# KiCad board hw-tele-stern.kicad_pcb
title: TeleSTERN Rocketry Flight Computer; date: 2024-07-31; rev: 2.2; company: Space Team Aachen - STAR Dresden - Hochschule Bremen; note: Based on Telemega 5.0 by Altusmetrum; note: TAPR Open Hardware License
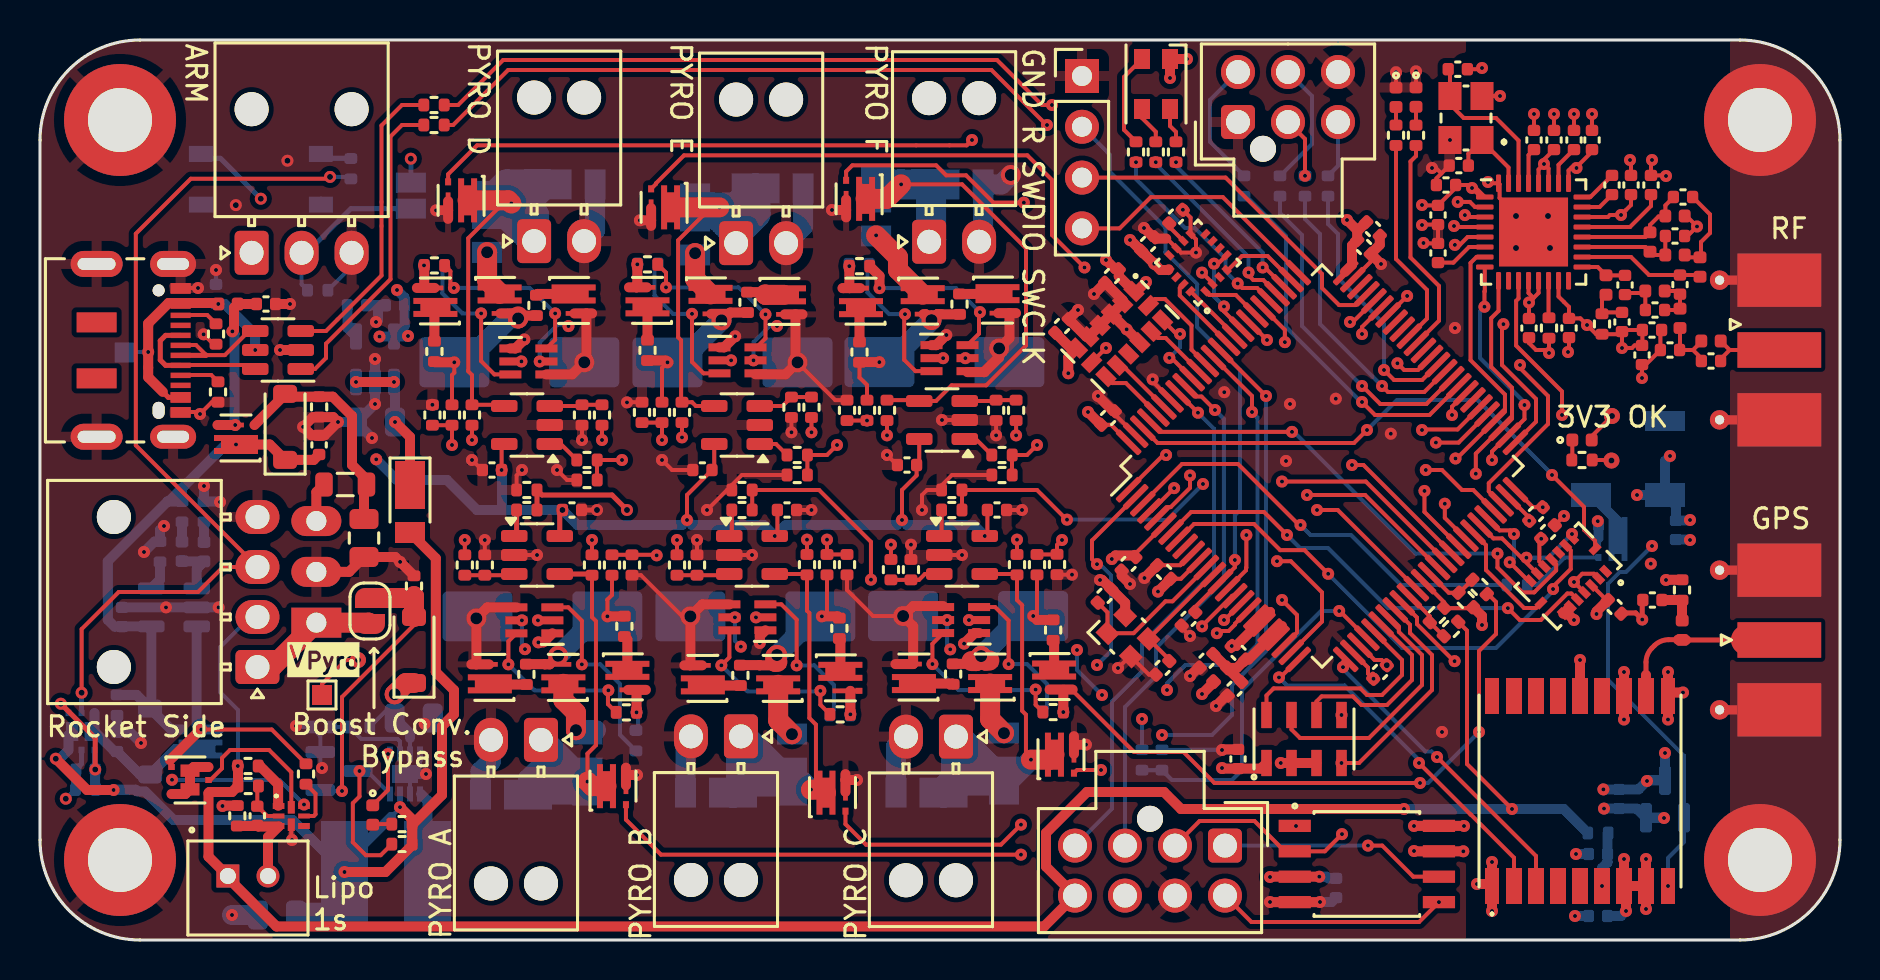
[diagram p0: board, top side]
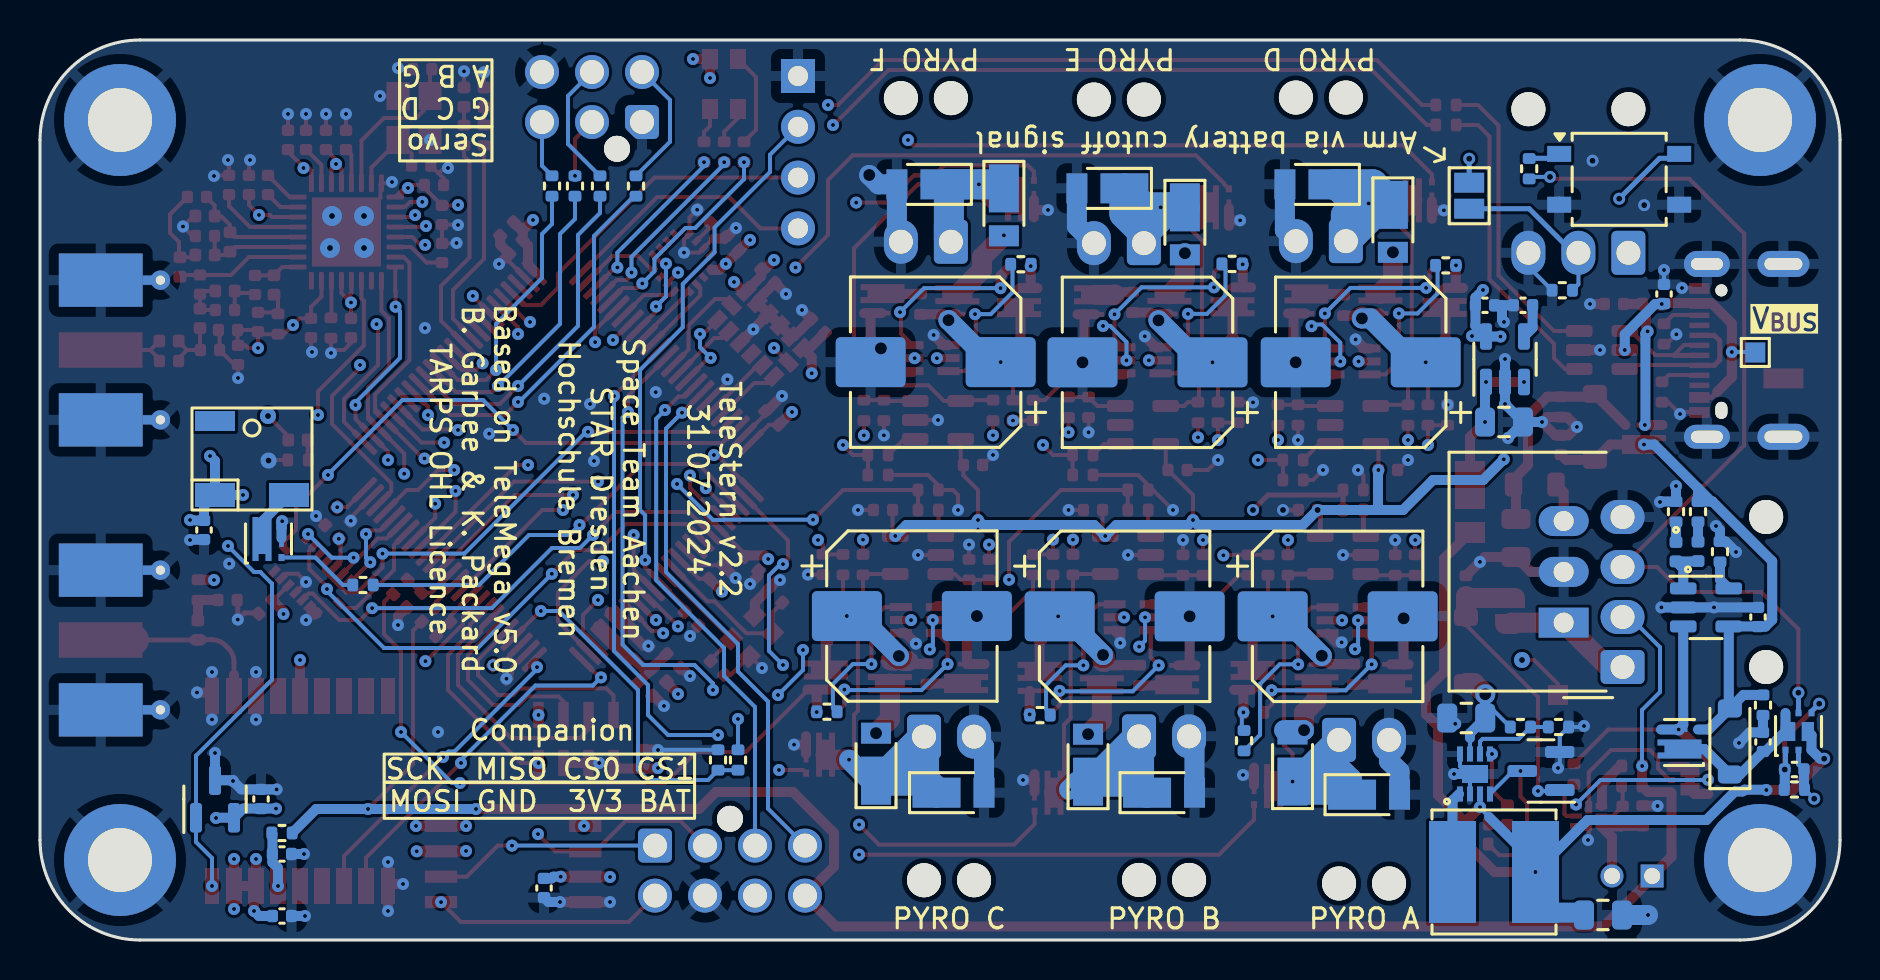
[diagram p1: board, bottom side, seen from below]

Outline 90 x 45 mm; copper layers: F.Cu (Sig+GND), In1.Cu (GND) (plane), In2.Cu (Sig), In3.Cu (3v3) (plane), In4.Cu (GND) (plane), B.Cu (Sig+12v). Coordinates in mm from the lower left corner of the outline.
Outline path: 0,40 arc(1.46,43.54) 5,45 85,45 arc(88.54,43.54) 90,40 90,5 arc(88.54,1.46) 85,0 5,0 arc(1.46,1.46) 0,5 0,40
Stack: F.Cu (Sig+GND) 0.04mm / dielectric 0.1363mm FR4 er 4.3 / In1.Cu (GND) 0.035mm / dielectric 0.2mm FR4 er 4.6 / In2.Cu (Sig) 0.035mm / dielectric 0.5115mm FR4 er 4.6 / In3.Cu (3v3) 0.035mm / dielectric 0.2mm FR4 er 4.6 / In4.Cu (GND) 0.035mm / dielectric 0.1363mm FR4 er 4.3 / B.Cu (Sig+12v) 0.04mm

## Placement (name value [footprint] x y rotation side)
B1  LiPo JST connector  [TE_JST_1x2pin]  9.39 3.2 0 top
C1  22u  [C_0805_2012Metric]  16.2 20.1 90 top
C2  10u  [C_0402_1005Metric]  3.85 9.9 90 bottom
C3  100n  [C_0402_1005Metric]  2.28 8.53 180 bottom
C4  10u  [C_0402_1005Metric]  13.95 24.75 90 top
C5  22u  [C_0805_2012Metric]  11.85 1.25 0 bottom
C6  10u  [C_0402_1005Metric]  4.1 16.15 90 bottom
C7  10u  [C_0805_2012Metric]  18.69 11.1 0 bottom
C8  10u  [C_0805_2012Metric]  16.8 25.9 180 bottom
C9  100n  [C_0402_1005Metric]  78.95 7.05 90 bottom
C10  100n  [C_0402_1005Metric]  59.9 9.05 90 top
C11  10n  [C_0402_1005Metric]  15.85 31.74 0 bottom
C12  1u  [C_0402_1005Metric]  17.75 31.74 180 bottom
C13  100n  [C_0402_1005Metric]  10.86 6.21 90 top
C14  10u  [C_0402_1005Metric]  8.8 32.3 90 bottom
C15  100n  [C_0402_1005Metric]  11.3 31.8 0 top
C16  820u  [CP_Elec_8x10]  35.77 16.18 180 bottom
C17  100n  [C_0402_1005Metric]  37.35 21.5 0 top
C18  820u  [CP_Elec_8x10]  25.12 16.18 180 bottom
C19  100n  [C_0402_1005Metric]  26.6 21.5 0 top
C20  820u  [CP_Elec_8x10]  46.41 16.2 180 bottom
C21  10u  [C_0402_1005Metric]  56.8 36.17 45 top
C22  1u  [C_0402_1005Metric]  55.4 34.8 45 top
C23  100n  [C_0402_1005Metric]  47.85 21.5 0 top
C24  820u  [CP_Elec_8x10]  23.96 28.89 0 bottom
C25  100n  [C_0402_1005Metric]  22.6 23.5 180 top
C26  820u  [CP_Elec_8x10]  34.62 28.88 0 bottom
C27  100n  [C_0402_1005Metric]  33.12 23.5 180 top
C28  820u  [CP_Elec_8x10]  45.22 28.89 0 bottom
C29  100n  [C_0402_1005Metric]  43.35 23.75 180 top
C30  10p  [C_0402_1005Metric]  70.94 38.72 0 top
C31  10p  [C_0402_1005Metric]  70.89 43.54 180 top
C32  22p  [C_0402_1005Metric]  53.23 17.21 225 top
C33  22p  [C_0402_1005Metric]  56.13 13.61 45 top
C34  10u  [C_0402_1005Metric]  66.65 35.55 315 top
C35  100n  [C_0402_1005Metric]  56.2 18.4 135 top
C36  100n  [C_0402_1005Metric]  54.43 18.81 225 top
C37  100n  [C_0402_1005Metric]  67 13.4 225 top
C38  100n  [C_0402_1005Metric]  74.8 21.3 225 top
C39  100n  [C_0402_1005Metric]  66.2 34.65 315 top
C40  100n  [C_0402_1005Metric]  53.4 26.1 45 top
C41  100n  [C_0402_1005Metric]  64.8 2.6 270 bottom
C42  220n  [C_0402_1005Metric]  69.9 34.35 90 top
C43  47n  [C_0402_1005Metric]  70.3 37.75 180 top
C44  47n  [C_0402_1005Metric]  69.9 36.25 270 top
C45  47n  [C_0402_1005Metric]  74.45 30.59 270 top
C46  100n  [C_0402_1005Metric]  77.9 1.2 180 bottom
C47  47n  [C_0402_1005Metric]  76.45 30.6 270 top
C48  100p  [C_0402_1005Metric]  80.62 17 180 top
C49  100n  [C_0402_1005Metric]  77.9 4.3 180 bottom
C50  100n  [C_0402_1005Metric]  81.8 20.5 270 bottom
C101  100n  [C_0402_1005Metric]  53.6 33.2 225 top
C102  1u  [C_0402_1005Metric]  51.1 30.7 45 top
C171  10n  [C_0402_1005Metric]  80.6 30.5 0 top
C172  100p  [C_0402_1005Metric]  80.1 29.25 270 top
C173  56p  [C_0402_1005Metric]  79.1 30.9 270 top
C174  39p  [C_0402_1005Metric]  79.25 32.75 270 top
C175  6.2p  [C_0402_1005Metric]  81.5 29.5 0 top
C176  2.2p  [C_0402_1005Metric]  80.75 31.5 0 top
C177  Tuning  [C_0402_1005Metric]  83.55 28.95 0 top
C181  5.1p  [C_0402_1005Metric]  82 32.77 270 top
C191  5.1p  [C_0402_1005Metric]  82.15 37.15 0 top
C210  5.1p  [C_0402_1005Metric]  81.75 35.2 0 top
C211  10n  [C_0402_1005Metric]  80.55 37.75 90 top
C221  47n  [C_0402_1005Metric]  79.55 37.75 90 top
C231  1.8n  [C_0402_1005Metric]  78.6 37.75 90 top
C251  47n  [C_0402_1005Metric]  77.6 40 90 top
C261  47n  [C_0402_1005Metric]  76.7 40 90 top
C271  47n  [C_0402_1005Metric]  75.7 40 90 top
C291  47n  [C_0402_1005Metric]  74.7 40 90 top
C301  100n  [C_0402_1005Metric]  78.73 16.65 315 top
C302  100n  [C_0402_1005Metric]  75.4 20.4 45 top
C600  100n  [C_0402_1005Metric]  59.93 14.36 135 top
C601  1u  [C_0402_1005Metric]  59.73 12.56 45 top
C602  100n  [C_0402_1005Metric]  58.33 13.96 225 top
C610  100n  [C_0402_1005Metric]  57.43 16.06 225 top
D1  B5819W  [D_SOD-123]  5.51 9.93 90 bottom
D2  Green  [LED_0402_1005Metric]  67.8 42.14 270 top
D3  B5819W  [D_SOD-123]  12.25 25.66 90 top
D4  RED  [LED_0402_1005Metric]  16.64 6.25 270 top
D5  RED  [LED_0402_1005Metric]  7.1 19.43 90 bottom
D6  RED  [LED_0402_1005Metric]  8.2 19.42 270 bottom
D7  B5819W  [D_SOD-123]  18.7 14.5 90 top
D8  DFLS130L  [D_PowerDI-123]  18.5 21.9 270 top
D9  RED  [LED_0402_1005Metric]  68.8 42.15 270 top
D10  RED  [LED_0402_1005Metric]  77.1 25 0 top
D11  DFLS130L  [D_PowerDI-123]  37.6 8.77 90 bottom
D12  DFLS130L  [D_PowerDI-123]  27.37 8.77 90 bottom
D13  DFLS130L  [D_PowerDI-123]  48.2 8.82 90 bottom
D14  DFLS130L  [D_PowerDI-123]  22.36 35.91 270 bottom
D15  CLV1L-FKB  [LED_Cree-PLCC4_3.2x2.8mm_CCW]  55.8 42.8 270 top
D16  DFLS130L  [D_PowerDI-123]  33.8 7.37 180 bottom
D17  DFLS130L  [D_PowerDI-123]  23.55 7.27 180 bottom
D18  DFLS130L  [D_PowerDI-123]  44.32 7.37 180 bottom
D19  DFLS130L  [D_PowerDI-123]  26.23 37.78 0 bottom
D20  DFLS130L  [D_PowerDI-123]  36.63 37.58 0 bottom
D21  DFLS130L  [D_PowerDI-123]  45.63 37.78 0 bottom
D22  DFLS130L  [D_PowerDI-123]  32.75 35.78 270 bottom
D23  DFLS130L  [D_PowerDI-123]  41.8 36.73 270 bottom
FB1  220@100MHz  [L_0402_1005Metric]  9.4 31.8 0 top
H1  MountingHole_Pad  [MountingHole_3.2mm_M3_DIN965_Pad]  86 41 0 top
H2  MountingHole_Pad  [MountingHole_3.2mm_M3_DIN965_Pad]  4 41 0 top
H3  MountingHole_Pad  [MountingHole_3.2mm_M3_DIN965_Pad]  86 4 0 top
H4  MountingHole_Pad  [MountingHole_3.2mm_M3_DIN965_Pad]  4 4 0 top
IC1  MAX17291ATA+T  [ad-TDFN-8p-EP-2x2mm]  18.25 8.3 90 bottom
IC2  MAX-M10S-00B  [MAXM10S00B]  77 7.45 270 top
J1  Rocket Side  [Molex_Nano-Fit_105313-xx04_1x04_P2.50mm_Horizontal]  10.87 13.65 180 top
J2  ARM  [Molex_Nano-Fit_105313-xx03_1x03_P2.50mm_Horizontal]  10.58 34.36 90 top
J3  IGN A  [Molex_Nano-Fit_105313-xx02_1x02_P2.50mm_Horizontal]  25.05 10.01 270 top
J4  IGN B  [Molex_Nano-Fit_105313-xx02_1x02_P2.50mm_Horizontal]  35.05 10.18 270 top
J6  IGN C  [Molex_Nano-Fit_105313-xx02_1x02_P2.50mm_Horizontal]  45.8 10.17 270 top
J7  IGN D  [Molex_Nano-Fit_105313-xx02_1x02_P2.50mm_Horizontal]  24.7 34.94 90 top
J8  SMA  [SMA_Molex_73251-2120_EdgeMount_Horizontal]  86.96 29.5 0 top
J9  Companion  [Molex_Nano-Fit_105310-xx08_2x04_P2.50mm_Vertical]  59.25 4.72 270 top
J10  IGN E  [Molex_Nano-Fit_105313-xx02_1x02_P2.50mm_Horizontal]  34.81 34.84 90 top
J11  IGN F  [Molex_Nano-Fit_105313-xx02_1x02_P2.50mm_Horizontal]  44.45 34.91 90 top
J12  USB_C_Receptacle_USB2.0_14P  [USB_C_Receptacle_JAE_DX07S016JA1R1500]  3.98 29.48 270 top
J20  Debug  [PinHeader_1x04_P2.54mm_Vertical]  52.1 43.2 0 top
J21  Servos  [Molex_Nano-Fit_105310-xx06_2x03_P2.50mm_Vertical]  59.9 40.9 90 top
J91  SMA  [SMA_Molex_73251-2120_EdgeMount_Horizontal]  86.96 15 0 top
JP1  Bypass Boost  [SolderJumper-2_P1.3mm_Open_RoundedPad1.0x1.5mm]  16.5 16.45 90 top
JP2  ARM via Bat Cutoff  [SolderJumper-2_P1.3mm_Open_Pad1.0x1.5mm]  18.54 37.21 90 bottom
L1  1u  [L_0805_2012Metric]  15.26 22.77 0 top
L2  10u  [L_Bourns_SRN6045TA]  17.3 3.4 0 bottom
L3  27n  [L_0402_1005Metric]  82.11 15.49 90 top
L171  56n  [L_0402_1005Metric]  78.3 32.75 270 top
L172  15n  [L_0402_1005Metric]  80.75 32.45 0 top
L173  43n  [L_0402_1005Metric]  82 31.08 270 top
L174  22n  [L_0402_1005Metric]  83.55 29.95 0 top
L191  56n  [L_0402_1005Metric]  80.5 34.9 90 top
L192  27n  [L_0402_1005Metric]  81.75 36.2 0 top
L193  15n  [L_0402_1005Metric]  83 33.65 270 top
L201  27n  [L_0402_1005Metric]  81.75 34.25 0 top
L600  220@100MHz  [L_0402_1005Metric]  59.03 13.26 45 top
Q1  PMOS Power  [Vishay_PowerPAK_SC70-6L_Single]  8.03 9.88 0 bottom
Q2  PMOS Power  [Vishay_PowerPAK_SC70-6L_Single]  9.8 25.1 180 top
Q3  PMOS Power Dual  [Vishay_PowerPAK_SC70-6L_Dual]  2.07 10.42 90 bottom
Q4  NMOS Signal  [SOT-23]  14.95 8.45 0 bottom
Q5  NMOS Power Dual  [Vishay_PowerPAK_SC70-6L_Dual]  7.5 8 0 top
Q6  NMOS Signal Dual  [JEITA-sc88]  35.37 16.13 180 top
Q7  PMOS Power  [Vishay_PowerPAK_SC70-6L_Single]  40.02 13.11 0 top
Q8  NMOS Power  [Vishay_PowerPAK_SC70-6L_Single]  33.14 13.08 180 top
Q9  NMOS Signal Dual  [JEITA-sc88]  24.72 15.98 180 top
Q10  PMOS Power  [Vishay_PowerPAK_SC70-6L_Single]  36.91 13.08 180 top
Q11  NMOS Signal Dual  [JEITA-sc88]  46.06 16 180 top
Q12  PMOS Power  [Vishay_PowerPAK_SC70-6L_Single]  29.37 13.16 0 top
Q13  NMOS Power  [Vishay_PowerPAK_SC70-6L_Single]  22.49 13.13 180 top
Q14  NMOS Signal Dual  [JEITA-sc88]  24.42 28.93 0 top
Q15  PMOS Power  [Vishay_PowerPAK_SC70-6L_Single]  26.17 13.13 180 top
Q16  NMOS Signal Dual  [JEITA-sc88]  34.88 28.98 0 top
Q17  PMOS Power  [Vishay_PowerPAK_SC70-6L_Single]  50.71 13.17 0 top
Q18  NMOS Power  [Vishay_PowerPAK_SC70-6L_Single]  43.7 13.15 180 top
Q19  NMOS Signal Dual  [JEITA-sc88]  45.48 29.09 0 top
Q20  PMOS Power  [Vishay_PowerPAK_SC70-6L_Single]  47.51 13.15 180 top
Q21  NMOS Power  [Vishay_PowerPAK_SC70-6L_Single]  78.58 20.05 90 bottom
Q22  PMOS Power  [Vishay_PowerPAK_SC70-6L_Single]  19.77 31.95 180 top
Q23  NMOS Power  [Vishay_PowerPAK_SC70-6L_Single]  26.68 31.98 0 top
Q24  NMOS Power  [Vishay_PowerPAK_SC70-6L_Single]  28.65 7.69 90 top
Q25  PMOS Power  [Vishay_PowerPAK_SC70-6L_Single]  22.98 31.98 0 top
Q26  NMOS Power  [Vishay_PowerPAK_SC70-6L_Single]  39.62 7.37 90 top
Q27  PMOS Power  [Vishay_PowerPAK_SC70-6L_Single]  30.38 31.98 180 top
Q28  NMOS Power  [Vishay_PowerPAK_SC70-6L_Single]  37.2 31.93 0 top
Q29  NMOS Power  [Vishay_PowerPAK_SC70-6L_Single]  51.05 9.27 90 top
Q30  PMOS Power  [Vishay_PowerPAK_SC70-6L_Single]  33.53 31.96 0 top
Q31  NMOS Power  [Vishay_PowerPAK_SC70-6L_Single]  21.06 36.98 270 top
Q32  PMOS Power  [Vishay_PowerPAK_SC70-6L_Single]  41.05 31.94 180 top
Q33  NMOS Power  [Vishay_PowerPAK_SC70-6L_Single]  47.88 31.99 0 top
Q34  NMOS Power  [Vishay_PowerPAK_SC70-6L_Single]  31.2 36.63 270 top
Q35  PMOS Power  [Vishay_PowerPAK_SC70-6L_Single]  44.14 31.94 0 top
Q36  NMOS Power  [Vishay_PowerPAK_SC70-6L_Single]  40.95 37.06 270 top
R1  10k  [R_0402_1005Metric]  3.85 11.74 270 bottom
R2  10k  [R_0402_1005Metric]  13.95 26.66 270 top
R3  10k  [R_0402_1005Metric]  2.28 7.53 180 bottom
R4  2k  [R_0402_1005Metric]  6 19.42 90 bottom
R5  1k  [R_0402_1005Metric]  18.1 5.79 0 top
R6  10k  [R_0402_1005Metric]  18.1 4.79 0 top
R7  1k  [R_0402_1005Metric]  7.1 21.42 270 bottom
R8  1k  [R_0402_1005Metric]  8.2 21.42 90 bottom
R9  86.6k  [R_0402_1005Metric]  15.98 10.65 180 bottom
R10  10k  [R_0402_1005Metric]  14.08 10.65 180 bottom
R11  1k  [R_0402_1005Metric]  13.3 8.3 270 top
R12  22  [R_0402_1005Metric]  10.4 8.7 0 top
R13  8m  [R_0402_1005Metric]  9.86 6.21 270 top
R14  150  [R_0402_1005Metric]  10.41 7.7 0 top
R15  5k6  [R_0402_1005Metric]  8.9 27.4 270 top
R16  5k6  [R_0402_1005Metric]  8.8 30.3 270 top
R17  10k  [R_0402_1005Metric]  40.01 11.28 180 top
R18  1k  [R_0402_1005Metric]  39.97 15.58 90 top
R19  1k  [R_0402_1005Metric]  35.02 13.23 90 top
R20  30k  [R_0402_1005Metric]  55.1 9 270 bottom
R21  10k  [R_0402_1005Metric]  40 11.24 180 bottom
R22  100k  [R_0402_1005Metric]  38.35 18.77 270 top
R23  100k  [R_0402_1005Metric]  31.85 18.75 270 top
R24  100k  [R_0402_1005Metric]  32.85 18.75 90 top
R25  5k6  [R_0402_1005Metric]  70.55 15.55 225 top
R26  10k  [R_0402_1005Metric]  69.85 16.25 45 top
R27  100k  [R_0402_1005Metric]  71.98 17.65 135 top
R28  30k  [R_0402_1005Metric]  71.29 17 315 top
R29  30k  [R_0402_1005Metric]  35.1 21.5 0 top
R30  56k  [R_0402_1005Metric]  75.45 30.6 270 top
R31  10k  [R_0402_1005Metric]  35.1 22.5 180 top
R32  56k  [R_0402_1005Metric]  77.9 5.35 180 bottom
R33  10k  [R_0402_1005Metric]  29.32 11.38 180 top
R34  1k  [R_0402_1005Metric]  29.22 15.68 90 top
R35  1k  [R_0402_1005Metric]  24.32 13.28 90 top
R36  10k  [R_0402_1005Metric]  56.1 9 90 bottom
R37  10k  [R_0402_1005Metric]  29.8 9.97 270 bottom
R38  100k  [R_0402_1005Metric]  27.6 18.75 270 top
R39  100k  [R_0402_1005Metric]  21.24 18.75 270 top
R40  220  [R_0402_1005Metric]  60.2 37.7 270 bottom
R41  220  [R_0402_1005Metric]  62 37.7 270 bottom
R42  220  [R_0402_1005Metric]  64.4 37.7 270 bottom
R43  220  [R_0402_1005Metric]  63.25 37.7 270 bottom
R44  100k  [R_0402_1005Metric]  22.24 18.75 90 top
R45  30k  [R_0402_1005Metric]  24.34 21.5 0 top
R46  10k  [R_0402_1005Metric]  24.34 22.5 180 top
R47  10k  [R_0402_1005Metric]  50.66 11.4 180 top
R48  1k  [R_0402_1005Metric]  50.66 15.5 90 top
R49  1k  [R_0402_1005Metric]  45.66 13.3 90 top
R50  150  [R_0402_1005Metric]  73.85 17.75 180 bottom
R51  10k  [R_0402_1005Metric]  50.65 11.41 180 bottom
R52  1k  [R_0402_1005Metric]  68.8 40.23 90 top
R53  1k  [R_0402_1005Metric]  67.8 40.24 90 top
R54  22  [R_0402_1005Metric]  19.7 40.75 180 top
R55  22  [R_0402_1005Metric]  19.7 41.75 180 top
R56  100k  [R_0402_1005Metric]  48.85 18.77 270 top
R57  100k  [R_0402_1005Metric]  42.55 18.52 270 top
R58  100k  [R_0402_1005Metric]  43.55 18.52 90 top
R59  30k  [R_0402_1005Metric]  45.59 21.5 0 top
R60  10k  [R_0402_1005Metric]  45.59 22.5 180 top
R61  10k  [R_0402_1005Metric]  19.72 33.73 0 top
R62  1k  [R_0402_1005Metric]  19.72 29.43 270 top
R63  1k  [R_0402_1005Metric]  24.82 31.73 270 top
R64  10  [R_0402_1005Metric]  82.1 17.5 270 top
R65  10k  [R_0402_1005Metric]  19.71 33.73 0 bottom
R66  100k  [R_0402_1005Metric]  21.6 26.25 90 top
R67  100k  [R_0402_1005Metric]  28.1 26.25 90 top
R68  100k  [R_0402_1005Metric]  27.1 26.25 270 top
R69  30k  [R_0402_1005Metric]  27.35 24 0 top
R70  10k  [R_0402_1005Metric]  27.35 23 180 top
R71  10k  [R_0402_1005Metric]  30.38 33.78 0 top
R72  1k  [R_0402_1005Metric]  30.38 29.48 270 top
R73  1k  [R_0402_1005Metric]  35.38 31.88 270 top
R74  1k  [R_0402_1005Metric]  77.1 24 0 top
R75  10k  [R_0402_1005Metric]  30.4 33.81 0 bottom
R76  100k  [R_0402_1005Metric]  32.1 26.38 90 top
R77  100k  [R_0402_1005Metric]  38.57 26.64 90 top
R78  100k  [R_0402_1005Metric]  37.57 26.64 270 top
R79  30k  [R_0402_1005Metric]  37.86 24.25 0 top
R80  10k  [R_0402_1005Metric]  37.86 23.25 180 top
R81  10k  [R_0402_1005Metric]  40.98 33.69 0 top
R82  1k  [R_0402_1005Metric]  40.98 29.39 270 top
R83  1k  [R_0402_1005Metric]  45.98 31.79 270 top
R85  10k  [R_0402_1005Metric]  40.96 33.79 0 bottom
R86  100k  [R_0402_1005Metric]  42.35 26.48 90 top
R87  100k  [R_0402_1005Metric]  48.8 26.48 90 top
R88  100k  [R_0402_1005Metric]  47.8 26.48 270 top
R89  30k  [R_0402_1005Metric]  48.1 24.25 0 top
R90  10k  [R_0402_1005Metric]  48.1 23.25 180 top
R91  30k  [R_0402_1005Metric]  39.35 18.77 90 top
R92  10k  [R_0402_1005Metric]  40.35 18.77 270 top
R93  30k  [R_0402_1005Metric]  28.6 18.75 90 top
R94  10k  [R_0402_1005Metric]  29.6 18.75 270 top
R95  30k  [R_0402_1005Metric]  49.85 18.77 90 top
R96  10k  [R_0402_1005Metric]  50.85 18.78 270 top
R97  30k  [R_0402_1005Metric]  20.6 26.25 270 top
R98  10k  [R_0402_1005Metric]  19.62 26.25 90 top
R99  30k  [R_0402_1005Metric]  31.1 26.38 270 top
R100  10k  [R_0402_1005Metric]  30.1 26.38 90 top
R101  30k  [R_0402_1005Metric]  41.35 26.48 270 top
R102  10k  [R_0402_1005Metric]  40.35 26.48 90 top
R103  10k  [R_0402_1005Metric]  13.89 32.49 0 bottom
R104  10k  [R_0402_1005Metric]  18.7 17.7 270 top
R105  1k  [R_0402_1005Metric]  54.8 39.4 90 top
R106  220  [R_0402_1005Metric]  55.79 39.4 90 top
R107  220  [R_0402_1005Metric]  56.8 39.4 90 top
R171  10  [R_0402_1005Metric]  78.1 30.8 270 top
R174  1k  [R_0402_1005Metric]  15.54 38.56 90 bottom
TP31  TestPoint  [TestPoint_Pad_1.0x1.0mm]  14.1 12.25 0 top
TP32  TestPoint  [TestPoint_Pad_1.0x1.0mm]  4.24 29.38 180 bottom
U1  TSR_1-2450  [Converter_DCDC_TRACO_TSR-1_THT]  13.82 15.87 90 bottom
U2  MCP73831-2-OT  [SOT-23-5]  6.7 16.63 180 bottom
U3  ADXL375BCCZ  [ad-lga-14]  54 30.3 315 top
U4  MS560702BA03-50  [SON125P300X500X100-8N]  63.2 10.05 90 top
U5  W25Q64  [SOIC127P790X216-8N]  66.34 3.8 0 top
U6  CC1200  [QFN-32-1EP_5x5mm_P0.5mm_EP3.45x3.45mm]  74.68 35.4 0 top
U7  STM32L162VDTx  [LQFP-100_14x14mm_P0.5mm]  64.1 23.7 45 top
U8  AD-503-PQ1  [AD-504-PQ1]  79.4 24.1 180 bottom
U9  MMC5983MA  [memsic-lga-16]  57.9 33.87 135 top
U11  TC2185-3.3VxCTTR  [SOT-23-5]  16.75 29.04 90 bottom
U12  BMI088  [bosch-lga-16]  76.4 18.2 225 top
U13  MCP130T-300  [SOT-23]  81.25 7.05 90 bottom
U14  BQ298215RUGR  [TI-2XQFN]  12.56 6.2 270 top
U15  USBLC6-2SC6  [SOT-23-6]  11.9 29.5 180 top
U16  TL081  [SOT-23-5]  24.85 19.25 0 top
U17  TL081  [SOT-23-5]  35.6 19.25 0 top
U18  TL081  [SOT-23-5]  46.1 19.25 0 top
U19  TL081  [SOT-23-5]  24.35 25.75 180 top
U20  TL081  [SOT-23-5]  34.85 25.75 180 top
U21  TL081  [SOT-23-5]  45.1 26 180 top
U27  AQY282GSX  [SO-4_4.4x4.3mm_P2.54mm]  11.04 38.03 180 bottom
X1  40MHz  [Crystal_SMD_Abracon_ABM3B-4Pin_3.2x2.5mm]  71.61 41.1 90 top
X2  16MHz  [Crystal_SMD_Abracon_ABM10-4Pin_2.5x2.0mm]  54.4 15.2 45 top

## Library data of the parts
B1 = -: MPN: 440054-2; note: Checked
C1 C5 = -: MPN: CL21A226MAYNNNE; ki_fp_filters: C_*
C2 C4 C6 C14 C34 = -: MPN: 04026D106MAT2A; Spice_Netlist_Enabled: N; note: From TM -; ki_fp_filters: C_*
C3 C13 C15 = -: MPN: C1005X5R1E104K050BC; Spice_Netlist_Enabled: N; note: From TM -; ki_fp_filters: C_*
C7 C8 = -: MPN: CL21B106KAYQNNE; ki_fp_filters: C_*
C9 = -: MPN: C1005X5R1E104K050BC; Spice_Netlist_Enabled: N; note: From TM; ki_fp_filters: C_*
C10 C17 C19 C23 C25 C27 C29 C35-C41 C46 C49 C50 C101 C301 C302 C600 C602 C610 = -: MPN: C1005X5R1E104K050BC; Spice_Netlist_Enabled: N; note: Checked; ki_fp_filters: C_*
C11 = -: MPN: 250R07W103KV4T; Spice_Netlist_Enabled: N; note: From TM -; ki_fp_filters: C_*
C12 = -: MPN: CL05A105KP5NNNC; Spice_Netlist_Enabled: N; note: From TM -; ki_fp_filters: C_*
C16 C18 C20 C24 C26 C28 = -: Datasheet: https://www.mouser.de/datasheet/2/420/NIPC_S_A0011590324_1-2524740.pdf; MPN: 661-EMZL250ARA821MJA; ki_fp_filters: C_*
C21 = -: MPN: 04026D106MAT2A; Spice_Netlist_Enabled: N; note: Checked; ki_fp_filters: C_*
C22 C102 C601 = -: MPN: CL05A105KP5NNNC; Spice_Netlist_Enabled: N; note: Checked; ki_fp_filters: C_*
C30 C31 = -: MPN: 0402N100J500CT; Spice_Netlist_Enabled: N; note: Checked; ki_fp_filters: C_*
C32 C33 = -: MPN: GRM1555C1H220FA01D; Spice_Netlist_Enabled: N; note: Checked; ki_fp_filters: C_*
C42 = -: MPN: LMK105BJ224KV-F; Spice_Netlist_Enabled: N; note: Checked; ki_fp_filters: C_*
C43-C45 C47 C221 C251 C261 C271 C291 = -: MPN: CGA2B2X7R1C473K050BA; Spice_Netlist_Enabled: N; note: Checked; ki_fp_filters: C_*
C48 = -: MPN: CGA2B2NP01H101J050BA; Spice_Netlist_Enabled: N; note: From TM -; ki_fp_filters: C_*
C171 C211 = -: MPN: 250R07W103KV4T; Spice_Netlist_Enabled: N; note: Checked, tm uses 4; ki_fp_filters: C_*
C172 = -: MPN: CGA2B2NP01H101J050BA; Spice_Netlist_Enabled: N; note: Checked; ki_fp_filters: C_*
C173 = -: MPN: C0402C560J5GACTU; Spice_Netlist_Enabled: N; note: Checked; ki_fp_filters: C_*
C174 = -: MPN: 791-RF15N390J500CT; Spice_Netlist_Enabled: N; note: Checked; ki_fp_filters: C_*
C175 = -: MPN: GJM1555C1H6R2CB01D; Spice_Netlist_Enabled: N; note: Checked; ki_fp_filters: C_*
C176 = -: MPN: GJM1555C1H2R2BB01D; Spice_Netlist_Enabled: N; note: Checked; ki_fp_filters: C_*
C177 = -: Spice_Netlist_Enabled: N; note: Open value; ki_fp_filters: C_*
C181 C191 C210 = -: MPN: C0402C519C5GACTU; Spice_Netlist_Enabled: N; note: Checked; ki_fp_filters: C_*
C231 = -: MPN: 04025C182KAT2A; Spice_Netlist_Enabled: N; note: Checked; ki_fp_filters: C_*
D1 D3 D7 = -: MPN: B5819W-TP; ki_fp_filters: TO-???* *_Diode_* *SingleDiode* D_*
D2 D9 = -: MPN: 150040VS73220; note: Changed; ki_fp_filters: LED* LED_SMD:* LED_THT:*
D4-D6 D10 = -: MPN: 150040VS73220; ki_fp_filters: LED* LED_SMD:* LED_THT:*
D8 = -: MPN: DFLS130LQ-7; ki_fp_filters: TO-???* *_Diode_* *SingleDiode* D_*
D11-D14 D16-D23 = -: MPN: DFLS130LQ-7; Note: Only populate for inductive loads on pyro channel; ki_fp_filters: TO-???* *_Diode_* *SingleDiode* D_*
D15 = -: Datasheet: http://www.cree.com/led-components/media/documents/CLV1L-FKB-1238.pdf; MPN: 941-CLV1LFKBCJQ79353; ki_fp_filters: *Cree*PLCC4*3.2x2.8mm*
FB1 = -: MPN: LI0402C221R-10; ki_fp_filters: Inductor_* L_* *Ferrite*
H1-H4 = -: note: Checked; ki_fp_filters: MountingHole*Pad*
IC1 = -: Datasheet: https://datasheets.maximintegrated.com/en/ds/MAX17291.pdf
IC2 = -: Datasheet: https://content.u-blox.com/sites/default/files/MAX-M10S_IntegrationManual_UBX-20053088.pdf; Digikey: 672-MAX-M10S-00BTR-ND; Link: https://www.mouser.de/ProductDetail/u-blox/MAX-M10S-00B?qs=A6eO%252BMLsxmT0PfQYPb7LLQ%3D%3D; Old Mouser: 377-MAX-M10S-00B
J1 = -: MPN: 105313-1104; ki_fp_filters: Connector*:*_1x??_*
J2 = -: MPN: 105313-1103; ki_fp_filters: Connector*:*_1x??_*
J3 J4 J6 J7 J10 J11 = -: MPN: 105313-1102; ki_fp_filters: Connector*:*_1x??_*
J8 J91 = -: MPN: 73251-2120; ki_fp_filters: *BNC* *SMA* *SMB* *SMC* *Cinch* *LEMO*
J9 = -: MPN: 538-105310-1208; ki_fp_filters: Connector*:*_1x??_*
J12 = -: Datasheet: https://www.usb.org/sites/default/files/documents/usb_type-c.zip; Description: USB 2.0-only 14P Type-C Receptacle connector; MPN: DX07S016JA1R1500; ki_fp_filters: USB*C*Receptacle*
J20 = -: ki_fp_filters: Connector*:*_1x??_*
J21 = -: MPN: 538-105310-1206; ki_fp_filters: Connector*:*_1x??_*
JP1 JP2 = -: ki_fp_filters: Jumper* TestPoint*2Pads* TestPoint*Bridge*
L1 = -: Datasheet: https://product.tdk.com/system/files/dam/doc/product/inductor/inductor/smd/catalog/inductor_commercial_power_tfm201208ald_en.pdf; Description: Power Inductor; MPN: 810-TFM201208ALD1R0M; ki_fp_filters: Choke_* *Coil* Inductor_* L_*
L2 = -: MPN: SRN6045-100M; ki_fp_filters: Choke_* *Coil* Inductor_* L_*
L3 = -: MPN: LQG15HS27NJ02D; ki_fp_filters: Choke_* *Coil* Inductor_* L_*
L171 L191 = -: MPN: LQG15HS56NJ02D; note: Checked, nachbestellung; ki_fp_filters: Choke_* *Coil* Inductor_* L_*
L172 L193 = -: MPN: LQG15HS15NJ02D; note: Checked; ki_fp_filters: Choke_* *Coil* Inductor_* L_*
L173 = -: MPN: MLG1005S43NJT000; note: Checked; ki_fp_filters: Choke_* *Coil* Inductor_* L_*
L174 = -: MPN: LQG15HS22NJ02D; note: Checked; ki_fp_filters: Choke_* *Coil* Inductor_* L_*
L192 L201 = -: MPN: LQG15HS27NJ02D; note: Checked; ki_fp_filters: Choke_* *Coil* Inductor_* L_*
L600 = -: MPN: LI0402C221R-10; note: Checked; ki_fp_filters: Inductor_* L_* *Ferrite*
Q1 Q2 Q7 Q12 Q17 Q22 Q27 Q32 = -: MPN: SIA469DJ-T1-GE3
Q3 = -: MPN: SIA931DJ-T1-GE3; ki_fp_filters: TSOP* SC?70* SC?88* SOT?363*
Q4 = -: MPN: IRLML2803TRPBF
Q5 = -: MPN: SIA918EDJ-T1-GE3; ki_fp_filters: TSOP* SC?70* SC?88* SOT?363*
Q6 Q9 Q11 Q14 Q16 Q19 = -: Datasheet: https://www.mouser.de/datasheet/2/408/SSM6N15AFU_datasheet_en_20140301-1150407.pdf; MPN: SSM6N15AFU,LF; ki_fp_filters: TSOP* SC?70* SC?88* SOT?363*
Q8 Q13 Q18 Q21 Q23 Q24 Q26 Q28 Q29 Q31 Q33 Q34 Q36 = -: MPN: SIA432DJ-T1-GE3
Q10 Q15 Q20 Q25 Q30 Q35 = -: Datasheet: https://www.vishay.com/docs/75354/sia469dj.pdf; MPN: SIA469DJ-T1-GE3
R1-R3 R6 R10 R17 R21 R31 R33 R36 R37 R46 R47 R51 R60 R61 R65 R70 R71 R75 R80 R81 R85 R90 R92 R94 R96 R98 R100 R102-R104 = -: MPN: CRGP0402F10K; Spice_Netlist_Enabled: N; ki_fp_filters: R_*
R4 = -: MPN: RC0402FR-072KL; Spice_Netlist_Enabled: N; ki_fp_filters: R_*
R5 R7 R8 R11 R18 R19 R34 R35 R48 R49 R62 R63 R72-R74 R82 R83 R105 = -: MPN: CR0402-FX-1001GLF; Spice_Netlist_Enabled: N; ki_fp_filters: R_*
R9 = -: MPN: RC0402FR-0786K6L; Spice_Netlist_Enabled: N; ki_fp_filters: R_*
R12 = -: MPN: RK73H1ETTP22R0F; Spice_Netlist_Enabled: N; ki_fp_filters: R_*
R13 = -: MPN: 71-WFCP05088L000FE66; Spice_Netlist_Enabled: N; ki_fp_filters: R_*
R14 R50 = -: MPN: RC0402FR-07150RL; Spice_Netlist_Enabled: N; ki_fp_filters: R_*
R15 R16 = -: MPN: ERJ-2RKF5601X; Spice_Netlist_Enabled: N; ki_fp_filters: R_*
R20 R29 R45 R59 R69 R79 R89 R91 R93 R95 R97 R99 R101 = -: MPN: RC0402FR-0760K4L; Spice_Netlist_Enabled: N; ki_fp_filters: R_*